# Allegro board 6089-103-RevA_73.brd (continued)
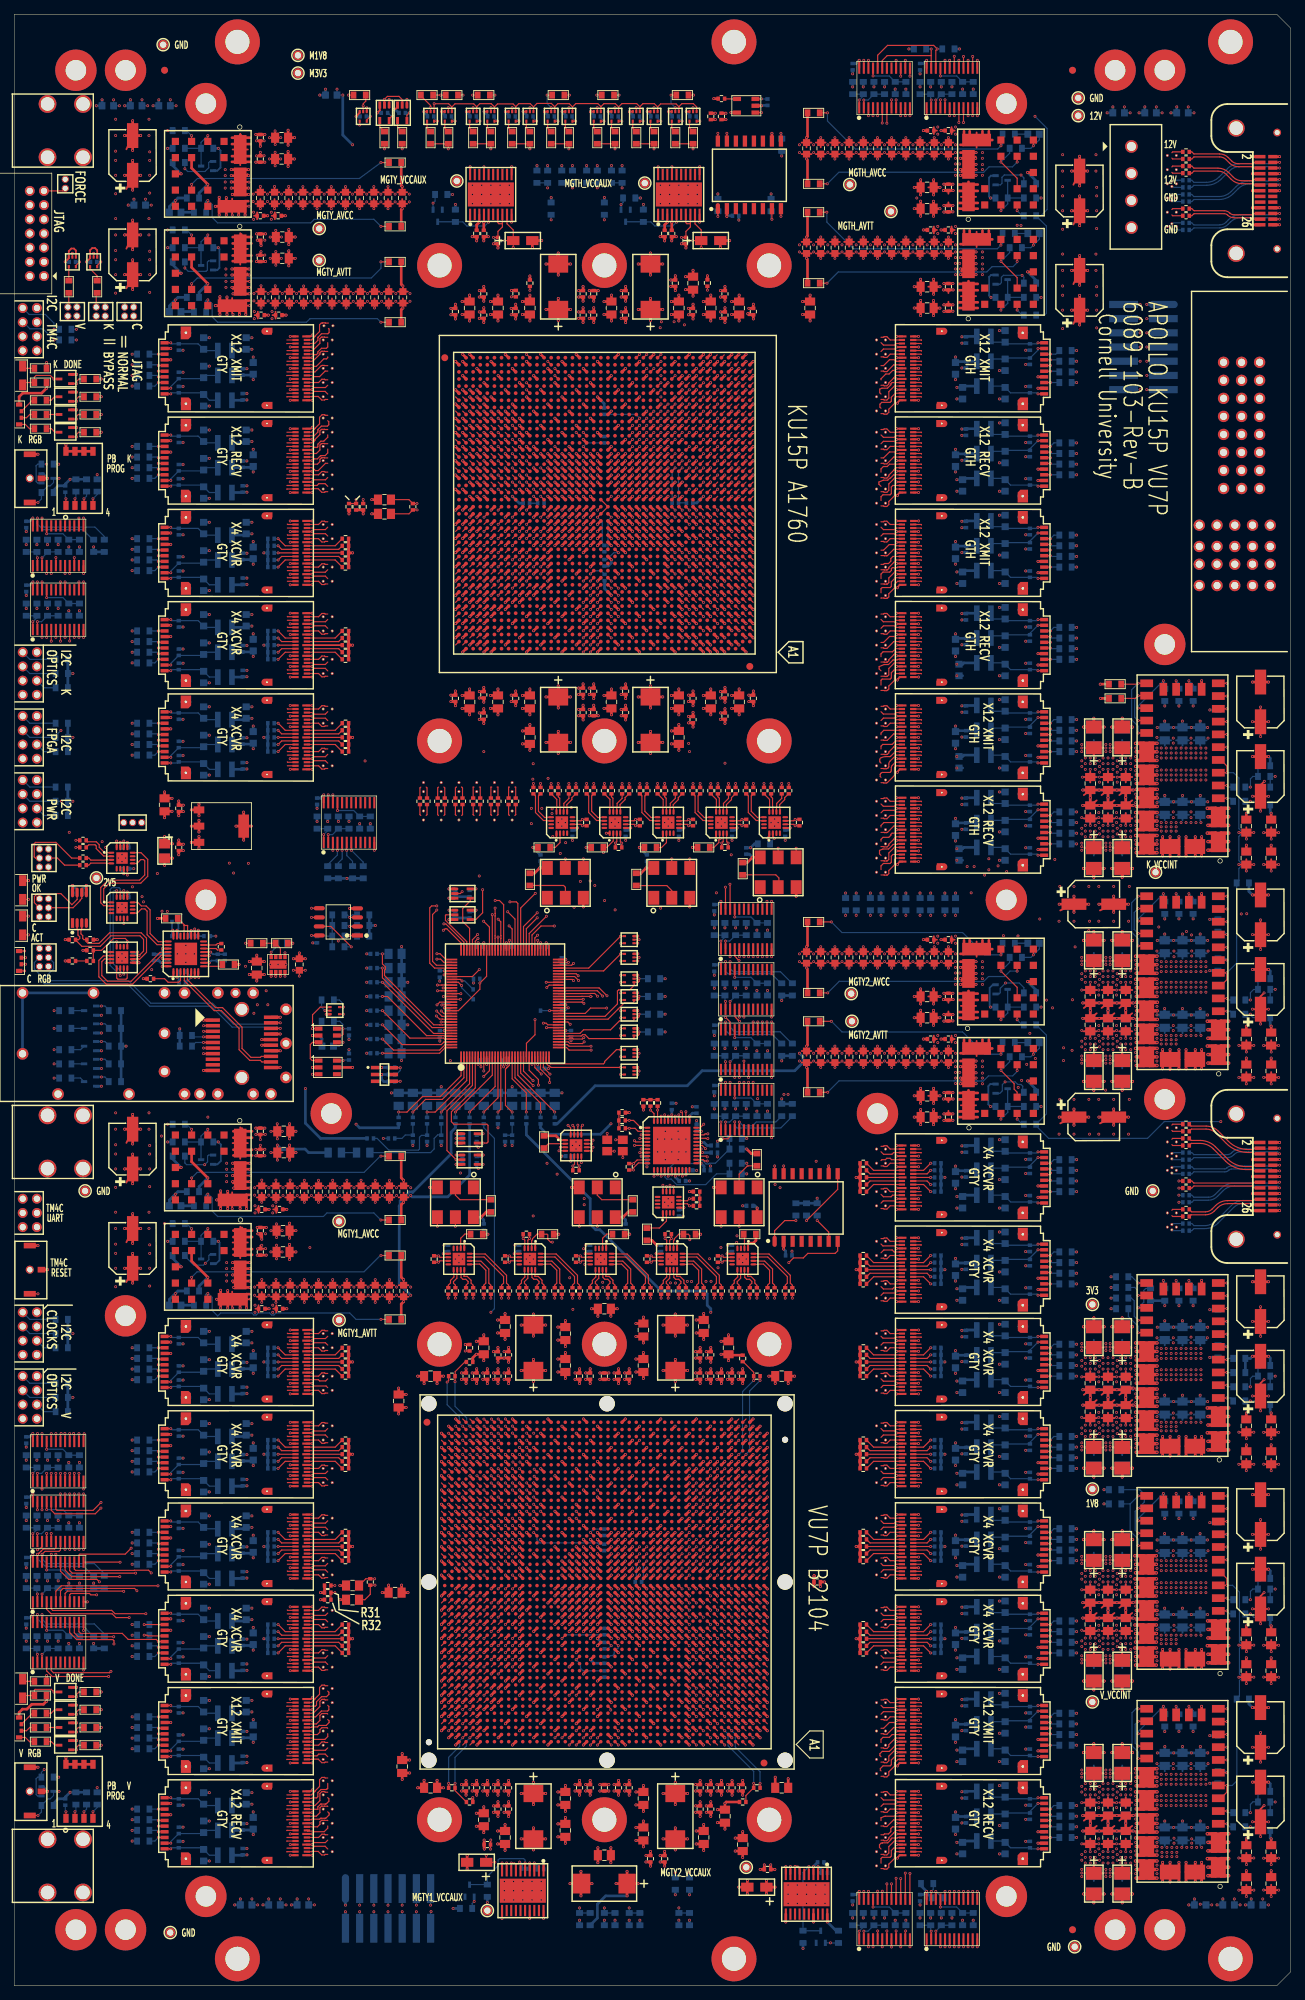
[diagram p0: board, top side]
## Routing (per net, layer and track width the routed paths; a pad name or vN(x,y) marks a point on that pad's centre or on a via; arc(x,y) is an arc through that point) (continued)
; v1(174.57,173.2) C460.2 v1(176.83,173.2) ; U66.BF41 v1(65.23,79.87) ; U65.A7 v1(98.17,187.93) ; v1(79.7,86.93) C175.2 v1(79.06,86.35) ; U65.N9 v1(96.17,199.93) ; U65.AL1 v1(104.17,218.87) ; R69.1 R71.1 v1(49.2,207.39) ; U66.J44 v1(62.24,41.93) ; U65.AN2 v1(103.17,220.87) ; R135.2 v1(96.77,105.9) ; C40.2 v1(38.61,259.35) ; C40.2 v1(38.61,261.45) ; C40.2 v1(39.52,260.4) ; U105.2 v1(144.33,212.1) ; U65.T4 v1(101.17,202.93) ; R128.1 v1(88.13,160.4) ; v1(113.65,56.27) C316.2 v1(114.23,56.9) ; U66.AF46 v1(60.23,59.85) ; U71.3 v1(87.91,142.4) ; C418.2 v1(157.65,127.44) 157.68,127.44 ; C418.2 v1(154.75,127.44) 154.74,127.44 ; C418.2 v1(156.2,126.2) 156.2,126.17 ; U23.4 v1(22.07,190.1) ; U66.AH4 v1(103.17,61.86) ; U65.Y4 v1(101.17,206.93) ; v1(92.65,174.99) C240.2 v1(93.7,174.08) ; v1(151.33,241.7) C382.2 ; C382.2 v1(150.2,243.78) ; C382.2 v1(149.07,241.7) ; C382.2 v1(150.2,239.62) ; U66.AW27 v1(79.23,72.86) ; U65.J1 v1(104.17,195.93) ; v1(69.7,23.87) C145.2 v1(69.06,24.45) ; U105.4 v1(144.33,213.7) ; R118.1 v1(86.77,105.9) ; U122.13 v1(167.4,183.88) ; R178.1 v1(118.69,74.9) ; R178.1 R179.1 R180.1 ; R178.1 R177.1 R176.1 ; U66.AK42 v1(64.24,63.87) ; U66.BE3 v1(104.16,78.85) ; U65.AH24 v1(80.23,215.87) ; R26.2 v1(20.2,150.4) ; U66.T16 v1(91.16,48.94) ; U65.AU2 v1(103.17,224.87) ; U65.P38 v1(66.23,200.93) ; 156.2,11.68 v1(156.2,11.7) C424.2 ; U66.W43 v1(63.23,51.94) ; U66.K5 v1(102.16,42.95) ; U65.J37 v1(67.23,195.93) ; v1(135.6,258.3) 134.5,258.3 ; 134.5,258.3 133.4,258.3 ; 134.5,258.3 134.5,256.64 ; U66.V24 v1(82.23,50.92) ; U65.AE23 v1(81.23,212.87) ; C163.2 v1(76.7,241.05) ; C163.2 v1(74.97,242.6) ; C163.2 76.7,244.1 76.69,244.11 v1(76.69,244.15) ; C163.2 v1(78.43,242.6) ; U65.AB13 v1(92.17,209.87) ; U66.Y37 v1(69.25,52.93) ; U65.W2 v1(103.17,205.93) ; U66.AV45 v1(61.25,71.87) ; v1(131.06,139.85) C375.2 v1(132.34,139.85) ; U66.AV20 v1(87.17,71.87) ; U66.AR43 v1(63.23,68.87) ; U65.M35 v1(69.23,198.93) ; 60.7,65.41 v1(60.23,65.87) ; U66.V46 v1(60.23,50.92) ; C400.2 v1(153.65,72.94) 153.68,72.94 ; C400.2 v1(150.75,72.94) 150.75,72.94 ; C400.2 v1(152.2,71.7) 152.2,71.67 ; v1(96.06,89.35) C253.2 v1(96.7,89.93) ; U66.AN35 v1(71.23,66.86) ; C450.2 v1(173.7,160.72) ; C401.2 v1(152.2,64.1) 152.2,64.12 ; C401.2 v1(150.75,62.86) 150.72,62.86 ; U66.M41 v1(65.23,44.93) ; U66.AT4 v1(103.17,69.86) ; v1(102.2,179.08) C288.2 v1(101.15,179.99) ; U65.C1 v1(104.17,189.93) ; U66.AW6 v1(101.17,72.86) ; U65.U25 v1(79.23,203.93) ; U65.AC9 v1(96.17,210.87) ; R163.1 R164.1 R165.1 ; R163.1 v1(118.69,113.9) ; R163.1 R162.1 R161.1 ; v1(65.56,238.85) C117.2 v1(66.2,239.43) ; U66.E6 v1(101.17,37.94) ; C431.2 v1(157.75,53.99) ; C431.2 v1(156.7,52.91) C432.2 ; U66.AJ15 v1(92.17,62.88) ; U65.AK40 v1(64.23,217.87) ; v1(176.83,58.7) C466.2 v1(174.57,58.7) ; U65.AD29 v1(75.23,211.87) ; U66.BF6 v1(101.17,79.87) ; U65.AK14 v1(91.17,217.87) ; v1(99.06,86.35) C274.2 v1(99.7,86.93) ; U66.AK24 v1(82.23,63.87) ; U65.T40 v1(64.23,202.93) ; U66.AB3 v1(104.16,54.94) ; U65.BA41 v1(63.23,228.87) ; U66.BE2 v1(105.15,78.85) ; C409.2 v1(152.94,83.99) C387.2 ; U66.V36 v1(70.24,50.92) ; U66.AE21 v1(86.15,58.86) ; U66.AC2 v1(105.15,55.93) ; 37.52,142.85 v1(37.52,142.25) ; U65.BB4 v1(101.17,229.87) ; U23.2 v1(22.07,191.7) ; U65.D7 v1(98.17,190.93) ; v1(69.2,19.08) C139.2 v1(68.15,19.99) ; U65.BB30 v1(74.23,229.87) ; U65.D40 v1(64.23,190.93) ; U66.N2 v1(105.15,45.95) ; C7.2 v1(16.7,118.62) ; C7.2 v1(15.57,120.7) ; C7.2 v1(16.7,122.78) ; C7.2 v1(17.83,120.7) ; U65.AF38 v1(66.23,213.87) ; U65.W23 v1(81.23,205.93) ; U65.AA1 v1(104.17,207.93) ; U66.AR19 v1(88.16,68.87) ; v1(86.06,86.35) C212.2 v1(86.7,86.93) ; U66.H20 v1(87.17,40.94) ; U66.U25 v1(81.24,49.93) ; U65.AE27 v1(77.23,212.87) ; U66.AA43 v1(63.23,53.95) ; v1(80.2,239.43) C177.2 v1(79.56,238.85) ; P2.26 v1(174.58,248.12) ; U66.AA13 v1(94.16,53.95) ; U65.AJ2 v1(103.17,216.87) ; v1(93.33,246.45) C233.2 v1(92.7,245.87) ; U65.V28 v1(76.23,204.93) ; v1(135.6,141.1) 134.5,141.1 ; 134.5,141.1 v1(133.4,141.1) ; v1(132.34,235.95) C372.2 131.68,235.93 v1(131.06,235.93) ; Q8.2 v1(8.8,34.55) ; C420.2 v1(156.2,71.7) 156.2,71.66 ; v1(100.2,239.43) C276.2 v1(99.56,238.85) ; 153.66,12.94 v1(153.65,12.94) C404.2 ; U66.AN2 v1(105.15,66.86) ; C412.2 v1(155.45,51.81) C432.2 ; U65.AG19 v1(86.17,214.87) ; v1(77.7,93.72) C167.2 v1(76.65,92.81) ; v1(100.2,177.87) C279.2 v1(99.56,178.45) ; C272.2 v1(100.33,262.95) ; U66.AN5 v1(102.16,66.86) ; U65.D38 v1(66.23,190.93) ; U65.AN41 v1(63.23,220.87) ; U65.AC37 v1(67.23,210.87) ; U66.P45 v1(61.25,46.94) ; v1(176.83,153.7) C461.2 v1(174.57,153.7) ; U66.AE44 v1(62.24,58.86) ; U66.AU43 v1(63.23,70.85) ; U66.AC27 v1(79.23,55.93) ; 177.43,109.22 v1(178.38,109.22) ; U65.H39 v1(65.23,194.93) ; U66.AY5 v1(102.16,73.87) ; U66.T42 v1(64.24,48.94) ; U66.AA15 v1(92.17,53.95) ; U123.13 v1(167.4,153.88) ; U66.AD3 v1(104.16,57.87) ; U65.AV38 v1(66.23,225.87) ; U66.B7 v1(100.17,34.95) ; C404.2 v1(152.2,11.7) 152.2,11.68 ; U65.G41 v1(63.23,193.93) ; U66.P40 v1(66.23,46.94) ; v1(97.56,27.45) C267.2 v1(98.2,26.87) ; U66.C46 v1(60.23,35.94) ; R37.1 R36.1 R35.1 ; C41.2 v1(39.52,257.4) ; C41.2 v1(38.61,258.45) ; C41.2 v1(38.61,256.35) ; U65.U33 v1(71.23,203.93) ; 161.9,16.02 v1(161.9,17.4) ; 161.9,16.02 v1(161.9,14.7) ; U66.H9 v1(98.17,40.94) ; C36.2 v1(38.23,249.4) ; C416.2 v1(154.75,157.44) 154.69,157.44 ; C416.2 v1(157.65,157.44) 157.65,157.44 ; C416.2 v1(156.2,156.2) 156.2,156.17 ; U65.AE2 v1(103.17,212.87) ; U24.2 v1(22.07,178.7) ; U66.W27 v1(79.23,51.94) ; U66.AV42 v1(64.24,71.87) ; U65.AL2 v1(103.17,218.87) ; C350.2 v1(127.79,251.45) ; C350.2 v1(126.88,250.4) ; C350.2 v1(127.79,249.35) ; v1(54.9,99.5) 54.56,99.84 R79.2 ; C458.2 v1(173.7,16.22) ; R75.2 54.56,239.74 v1(54.8,239.5) ; U27.4 v1(22.07,63.1) ; U65.AY7 v1(98.17,227.87) ; U66.AE2 v1(105.15,58.86) ; 134.5,255.9 134.5,256.64 ; 134.5,255.9 v1(133.4,255.9) ; 134.5,255.9 v1(135.6,255.9) ; 134.5,256.64 U118.2 134.53,257.12 134.15,257.5 v1(133.4,257.5) ; v1(85.56,238.85) C206.2 v1(86.2,239.43) ; U66.F12 v1(95.17,38.93) ; U65.AA25 v1(79.23,207.93) ; U65.J31 v1(73.23,195.93) ; U66.AJ21 v1(86.15,62.88) ; U66.W1 v1(106.17,51.94) ; 71.69,65.41 v1(71.23,65.87) ; U66.AJ17 v1(90.17,62.88) ; U66.V3 v1(104.16,50.92) ; U66.G13 v1(94.16,39.93) ; C451.2 v1(173.7,135.22) ; U65.E5 v1(100.17,191.93) ; v1(87.65,25.49) C220.2 v1(88.7,24.58) ; U66.BE41 v1(65.23,78.85) ; v1(174.57,69.2) C465.2 v1(176.83,69.2) ; U65.K24 v1(80.23,196.93) ; U66.A41 v1(65.23,33.93) ; U66.AB12 v1(95.17,54.94) ; U66.D5 v1(102.16,36.93) ; U66.AH24 v1(82.23,61.86) ; U65.AP37 v1(67.23,221.87) ; U66.AR44 v1(62.24,68.87) ; U66.AU38 v1(68.23,70.85) ; U65.AE13 v1(92.17,212.87) ; U66.AA27 v1(79.23,53.95) ; U123.27 v1(162.95,129.14) ; U123.27 v1(162.95,131.91) ; U66.AJ10 v1(97.15,62.88) ; U65.AH3 v1(102.17,215.87) ; U65.C5 v1(100.17,189.93) ; v1(22.3,158.88) C11.2 v1(21.2,157.88) ; C430.2 v1(157.75,81.81) ; U26.4 v1(22.07,76.1) ; U66.AL42 v1(64.24,64.86) ; C205.2 v1(86.71,123.03) ; U66.R7 v1(100.17,47.93) ; U124.13 v1(167.4,99.38) ; R35.1 v1(47.71,201.9) ; R35.1 R34.1 R33.1 ; U66.T41 v1(65.23,48.94) ; v1(98.2,89.93) C265.2 v1(97.56,89.35) ; v1(54.7,253.5) 54.56,253.64 R73.2 ; U65.H33 v1(71.23,194.93) ; U66.W17 v1(90.17,51.94) ; v1(97.15,237.31) C262.2 v1(98.2,238.22) ; U110.2 v1(144.33,111.1) ; U66.P3 v1(104.16,46.94) ; U65.AA17 v1(88.17,207.93) ; U65.AK33 v1(71.23,217.87) ; U66.BB45 v1(61.25,75.86) ; U66.F36 v1(70.24,38.93) ; v1(17.83,260.7) C5.2 ; C5.2 v1(16.7,258.62) ; C5.2 v1(16.7,262.78) ; C5.2 v1(15.57,260.7) ; U65.Y35 v1(69.23,206.93) ; v1(96.7,26.87) C255.2 v1(96.06,27.45) ; U65.A5 v1(100.17,187.93) ; v1(63.85,18.37) C114.2 v1(63.85,16.43) ; U66.AJ25 v1(81.24,62.88) ; U66.U44 v1(62.24,49.93) ; U66.AK37 v1(69.25,63.87) ; U66.Y14 v1(93.16,52.93) ; U66.L31 v1(75.24,43.94) ; v1(131.06,135.93) 131.68,135.93 C376.2 v1(132.34,135.95) ; U65.AC15 v1(90.17,210.87) ; U65.AA15 v1(90.17,207.93) ; U65.AD31 v1(73.23,211.87) ; U66.Y28 v1(78.24,52.93) ; U66.AU6 v1(101.17,70.85) ; U74.3 v1(87.91,134.9) ; U65.AN9 v1(96.17,220.87) ; U65.AF3 v1(102.17,213.87) ; U112.2 v1(144.33,85.1) ; U65.AC2 v1(103.17,210.87) ; U66.U1 v1(106.17,49.93) ; U66.AK18 v1(89.18,63.87) ; U66.BB40 v1(66.23,75.86) ; 88.71,65.41 v1(89.18,65.87) ; U66.N42 v1(64.24,45.95) ; U66.BE45 v1(61.25,78.85) ; U65.U21 v1(84.17,203.93) ; U99.17 v1(112.67,9) ; U65.Y31 v1(73.23,206.93) ; U65.AF31 v1(73.23,213.87) ; v1(68.2,244.87) C129.2 v1(67.56,245.45) ; U65.F37 v1(67.23,192.93) ; U66.BB2 v1(105.15,75.86) ; U66.AA7 v1(100.17,53.95) ; C359.2 v1(128.17,147.4) ; U66.V5 v1(102.16,50.92) ; U66.A31 v1(75.24,33.93) ; U66.AN44 v1(62.24,66.86) ; v1(101.2,26.87) C285.2 v1(100.56,27.45) ; U65.AP3 v1(102.17,221.87) ; v1(68.2,23.87) C136.2 v1(67.56,24.45) ; U65.B39 v1(65.23,188.93) ; P3.13 v1(178.38,114.03) ; U65.AH18 v1(87.17,215.87) ; U66.AD20 v1(87.17,57.87) ; U66.AG2 v1(105.11,60.83) ; U66.AW5 v1(102.16,72.86) ; U65.AH7 v1(98.17,215.87) ; U66.E10 v1(97.15,37.94) ; U66.AJ23 v1(84.17,62.88) ; U66.AB35 v1(71.23,54.94) ; U66.AP45 v1(61.25,67.86) ; v1(96.06,24.45) C256.2 v1(96.7,23.87) ; U66.Y41 v1(65.23,52.93) ; U65.AN5 v1(100.17,220.87) ; U65.AG21 v1(84.17,214.87) ; C424.2 v1(154.75,12.94) 154.73,12.94 ; C424.2 v1(157.65,12.94) 157.66,12.94 ; U66.L39 v1(67.24,43.94) ; U65.G20 v1(85.17,193.93) ; R42.1 R41.1 R40.1 ; U66.AD26 v1(80.25,57.87) ; U65.P26 v1(78.23,200.93) ; v1(86.2,236.43) C207.2 v1(85.56,235.85) ; U65.A37 v1(67.23,187.93) ; v1(70.7,180.37) C147.2 v1(70.06,180.95) ; v1(152.2,148.55) C396.2 152.2,147.31 ; C373.2 v1(130.67,147.4) ; U65.B25 v1(79.23,188.93) ; U125.13 v1(167.4,69.38) ; 134.5,242.64 U119.2 134.53,243.12 134.15,243.5 v1(133.4,243.5) ; U66.AY34 v1(72.25,73.87) ; U65.W41 v1(63.23,205.93) ; v1(64.2,238.22) C107.2 v1(63.15,237.31) ; U66.AW2 v1(105.15,72.86) ; U66.AA21 v1(86.15,53.95) ; U66.A12 v1(95.17,33.93) ; U66.AE19 v1(88.16,58.86) ; U65.AF16 v1(89.17,213.87) ; U66.H39 v1(67.24,40.94) ; U66.AY4 v1(103.17,73.87) ; v1(33.22,115.9) 32.1,115.9 ; 32.1,115.9 v1(30.8,115.9) ; U66.AK20 v1(87.17,63.87) ; U65.BB2 v1(103.17,229.87) ; U65.C10 v1(95.17,189.93) ; U66.V35 v1(71.23,50.92) ; U66.C2 v1(105.15,35.94) ; U66.BC15 v1(92.17,76.87) ; 31.9,255.05 v1(33.05,255.05) ; 31.9,255.05 v1(30.6,255.05) ; 31.9,255.05 31.9,254.16 ; U65.AJ9 v1(96.17,216.87) ; U65.AV28 v1(76.23,225.87) ; U66.AY10 v1(97.15,73.87) ; U106.2 v1(144.33,199.1) ; U66.AG43 v1(63.23,60.87) ; U65.U23 v1(81.23,203.93) ; C52.2 v1(41.04,144.71) ; C52.2 v1(40.2,145.53) ; C52.2 v1(39.36,144.71) ; U65.AG27 v1(77.23,214.87) ; C432.2 v1(157.75,51.81) ; U66.M28 v1(78.24,44.93) ; v1(66.2,180.87) C119.2 v1(65.56,181.45) ; P3.14 v1(174.58,114.03) ; U66.G23 v1(84.17,39.93) ; U13.14 v1(37.51,131.75) ; U66.AB26 v1(80.25,54.94) ; U66.F5 v1(102.16,38.93) ; U65.R2 v1(103.17,201.93) ; U97.3 v1(110.24,153.52) ; v1(66.2,177.87) C120.2 v1(65.56,178.45) ; v1(64.2,179.08) C108.2 v1(63.15,179.99) ; P3.1 v1(178.38,118.83) ; U66.P22 v1(85.16,46.94) ; U65.AW9 v1(96.17,226.87) ; C15.2 v1(35.25,144.31) ; C15.2 v1(33.15,144.31) ; C15.2 v1(34.2,145.22) ; U65.M7 v1(98.17,198.93) ; U65.M20 v1(85.17,198.93) ; U66.U42 v1(64.24,49.93) ; U66.AD18 v1(89.18,57.87) ; U65.B38 v1(66.23,188.93) ; U65.BB41 v1(63.23,229.87) ; U66.AG44 v1(62.24,60.87) ; v1(76.99,119.15) 76.38,119.76 R105.2 ; U66.AY41 v1(65.23,73.87) ; U66.AD45 v1(61.25,57.87) ; v1(68.2,179.08) C131.2 v1(67.15,179.99) ; U66.AK5 v1(102.16,63.87) ; U66.T20 v1(87.17,48.94) ; U66.L21 v1(86.15,43.94) ; U66.AC42 v1(64.24,55.93) ; U65.AH39 v1(65.23,215.87) ; C452.2 v1(173.7,130.72) ; v1(112.2,238.22) C315.2 v1(111.15,237.31) ; U66.F8 v1(99.16,38.93) ; R50.1 R49.1 R48.1 ; R50.1 R51.1 R52.1 ; R50.1 v1(47.71,87.9) ; U65.AG2 v1(103.17,214.87) ; U66.C15 v1(92.17,35.94) ; C421.2 v1(157.65,62.86) 157.71,62.86 ; C421.2 v1(154.75,62.86) 154.72,62.86 ; C421.2 v1(156.2,64.1) 156.2,64.14 ; U82.3 v1(95.24,152.02) ; U66.AC15 v1(92.17,55.93) ; C39.2 v1(38.43,95.4) ; U66.BC44 v1(62.24,76.87) ; U66.AB37 v1(69.25,54.94) ; v1(176.83,88.7) C464.2 v1(174.57,88.7) ; U66.AK4 v1(103.17,63.87) ; v1(74.36,245.9) C150.2 v1(73.05,244.93) ; v1(101.2,86.93) C284.2 v1(100.56,86.35) ; U66.AG42 v1(64.24,60.87) ; U65.V40 v1(64.23,204.93) ; U66.U6 v1(101.17,49.93) ; U65.L29 v1(75.23,197.93) ; U65.AL27 v1(77.23,218.87) ; U66.AR2 v1(105.15,68.87) ; P2.8 v1(174.58,255.32) ; U66.AK16 v1(91.16,63.87) ; R126.2 89.91,105.04 v1(90.59,104.35) ; U117.4 v1(144.33,21.7) ; U65.M13 v1(92.17,198.93) ; U66.B4 v1(103.17,34.95) ; C387.2 v1(150.65,83.99) ; C387.2 v1(151.7,82.89) C388.2 ; U13.11 v1(37.51,129.38) ; U65.AU39 v1(65.23,224.87) ; U66.E1 v1(106.17,37.94) ; U65.Y29 v1(75.23,206.93) ; U66.AU10 v1(97.15,70.85) ; U66.AA42 v1(64.24,53.95) ; P3.8 v1(174.58,116.42) ; U65.P31 v1(73.23,200.93) ; U66.W25 v1(81.24,51.94) ; U66.A6 v1(101.17,33.93) ; U66.AP4 v1(103.17,67.86) ; C349.2 v1(127.79,252.35) ; C349.2 v1(127.79,254.45) ; C349.2 v1(126.88,253.4) ; U66.AV35 v1(71.23,71.87) ; C391.2 v1(150.65,23.99) ; C391.2 v1(151.7,22.89) C392.2 ; U65.T22 v1(82.23,202.93) ; U65.W9 v1(96.17,205.93) ; U65.W13 v1(92.17,205.93) ; v1(66.83,246.45) C116.2 v1(66.2,245.87) ; v1(84.2,238.22) C198.2 v1(83.15,237.31) ; U65.AC29 v1(75.23,210.87) ; Q1.2 v1(8.8,227.05) ; U66.AV36 v1(70.24,71.87) ; U66.U38 v1(68.23,49.93) ; U65.AA37 v1(67.23,207.93) ; U66.AD14 v1(93.16,57.87) ; v1(76.65,20.99) C170.2 v1(77.7,20.08) ; U66.M3 v1(104.16,44.93) ; U65.R24 v1(80.23,201.93) ; U66.M12 v1(95.17,44.93) ; U65.C13 v1(92.17,189.93) ; U66.N35 v1(71.23,45.95) ; U65.AG15 v1(90.17,214.87) ; U65.T16 v1(89.17,202.93) ; U66.AU44 v1(62.24,70.85) ; U66.AW10 v1(97.15,72.86) ; U66.D22 v1(85.16,36.93) ; Q4.2 v1(8.8,219.55) ; U65.AB4 v1(101.17,209.87) ; v1(132.34,121.95) C380.2 131.68,121.92 v1(131.06,121.92) ; P3.20 v1(174.58,111.62) ; U66.C44 v1(62.24,35.94) ; R114.2 v1(80.63,160.4) ; v1(86.2,181.37) C208.2 v1(85.56,181.95) ; 61.71,65.41 v1(61.25,65.87) ; U18.15 v1(23.54,101.3) ; U66.U15 v1(92.17,49.93) ; U66.T4 v1(103.17,48.94) ; C384.2 v1(150.65,166.31) ; R40.1 v1(47.71,188.9) ; U65.AH11 v1(94.17,215.87) ; U65.AJ31 v1(73.23,216.87) ; U66.L42 v1(64.24,43.94) ; U66.K14 v1(93.16,42.95) ; U65.AC17 v1(88.17,210.87) ; U108.2 v1(144.33,173.1) ; R168.1 v1(118.69,100.9) ; R168.1 R167.1 R166.1 ; U66.AY37 v1(69.25,73.87) ; U65.V39 v1(65.23,204.93) ; v1(99.15,22.99) C280.2 v1(100.2,22.08) ; U66.P32 v1(74.23,46.94) ; U66.H30 v1(76.23,40.94) ; C27.2 v1(35.83,235.4) ; U65.AT38 v1(66.23,223.87) ; 134.5,128.64 134.5,127.9 ; 134.5,127.9 v1(133.4,127.9) ; 134.5,127.9 v1(135.6,127.9) ; Q3.2 v1(8.8,222.05) ; U65.AF14 v1(91.17,213.87) ; R13.2 v1(7.19,144.4) ; U65.AB11 v1(94.17,209.87) ; U65.M39 v1(65.23,198.93) ; U65.AE19 v1(86.17,212.87) ; v1(77.7,24.58) C169.2 v1(76.65,25.49) ; U66.V20 v1(87.17,50.92) ; R55.1 R56.1 R57.1 ; R55.1 v1(47.71,74.9) ; R55.1 R54.1 R53.1 ; U90.2 v1(105.36,264.9) ; U65.AH14 v1(91.17,215.87) ; U65.K40 v1(64.23,196.93) ; U65.AR29 v1(75.23,222.87) ; U66.AA44 v1(62.24,53.95) ; C433.2 v1(157.75,23.99) ; v1(96.15,93.81) C258.2 v1(97.2,94.72) ; v1(132.34,239.85) C371.2 v1(131.06,239.85) ; v1(52.79,56.45) C83.2 v1(51.88,55.4) ; U66.F26 v1(80.25,38.93) ; v1(81.2,26.87) C184.2 v1(80.56,27.45) ; U65.BA6 v1(99.17,228.87) ; U65.F40 v1(64.23,192.93) ; R154.2 111.84,257.29 ; U65.R33 v1(71.23,201.93) ; 38.81,117.4 v1(38.81,116.35) ; 38.81,117.4 v1(38.81,118.45) ; 38.81,117.4 C47.2 v1(39.72,117.4) ; U66.BE5 v1(102.16,78.85) ; U66.AF42 v1(64.24,59.85) ; U65.P16 v1(89.17,200.93) ; v1(102.7,18.08) C292.2 v1(101.65,18.99) ; U65.AN23 v1(81.23,220.87) ; U66.R35 v1(71.23,47.93) ; U66.K8 v1(99.16,42.95) ; U65.AF4 v1(101.17,213.87) ; U66.C41 v1(65.23,35.94) ; U66.U23 v1(84.17,49.93) ; U65.AT7 v1(98.17,223.87) ; v1(94.65,240.81) C245.2 v1(95.7,241.72) ; U66.AV5 v1(102.16,71.87) ; v1(103.56,236.35) C295.2 v1(104.2,236.93) ; U65.K14 v1(91.17,196.93) ; U66.L1 v1(106.17,43.94) ; U65.V4 v1(101.17,204.93) ; v1(66.25,20.54) C126.2 66.25,19.38 66.28,19.34 v1(66.28,19.27) ; U65.BA7 v1(98.17,228.87) ; U65.AG25 v1(79.23,214.87) ; U66.BF16 v1(91.16,79.87) ; v1(63.06,27.45) C106.2 v1(63.7,26.87) ; U65.M40 v1(64.23,198.93) ; U46.3 v1(61.3,150.24) ; v1(54.7,29.08) C86.2 v1(55.75,29.99) ; v1(81.7,236.43) C186.2 v1(81.06,235.85) ; U65.AM25 v1(79.23,219.87) ; C223.2 v1(87.97,242.6) ; C223.2 v1(91.43,242.6) ; C223.2 89.7,244.1 89.69,244.11 v1(89.69,244.15) ; C223.2 v1(89.7,241.05) ; U65.T13 v1(92.17,202.93) ; U65.K3 v1(102.17,196.93) ; R89.1 v1(63.59,90.35) ; U45.3 v1(61.3,153.24) ; U66.G45 v1(61.25,39.93) ; U66.BB44 v1(62.24,75.86) ; U65.V20 v1(85.17,204.93) ; U65.AN37 v1(67.23,220.87) ; U66.AC19 v1(88.16,55.93) ; U65.F39 v1(65.23,192.93) ; U65.AP34 v1(70.23,221.87) ; U65.AL42 v1(62.23,218.87) ; U65.AU42 v1(62.23,224.87) ; U65.AJ21 v1(84.17,216.87) ; v1(57.79,84.85) C94.2 v1(56.88,85.9) ; U65.AE15 v1(90.17,212.87) ; Q5.2 v1(8.8,42.05) ; U70.3 v1(87.91,145.4) ; U65.B20 v1(85.17,188.93) ; U66.AY45 v1(61.25,73.87) ; U66.T12 v1(95.17,48.94) ; U65.AL37 v1(67.23,218.87) ; U66.AK40 v1(66.23,63.87) ; U65.AB38 v1(66.23,209.87) ; v1(67.56,27.45) C135.2 v1(68.2,26.87) ; U65.P39 v1(65.23,200.93) ; R102.1 v1(72.7,240.91) ; U65.AH35 v1(69.23,215.87) ; U65.BA32 v1(72.23,228.87) ; U65.AY8 v1(97.17,227.87) ; U65.AY3 v1(102.17,227.87) ; U66.AY3 v1(104.16,73.87) ; U65.AL22 v1(82.23,218.87) ; U66.AL35 v1(71.23,64.86) ; U65.BB15 v1(90.17,229.87) ; U66.AR42 v1(64.24,68.87) ; U65.AH22 v1(82.23,215.87) ; U66.Y22 v1(85.16,52.93) ; U65.AU9 v1(96.17,224.87) ; U66.P42 v1(64.24,46.94) ; C392.2 v1(150.65,21.81) ; U65.AF7 v1(98.17,213.87) ; U66.AB18 v1(89.18,54.94) ; U66.AT26 v1(80.25,69.86) ; U28.4 v1(22.07,50.1) ; U66.AD42 v1(64.24,57.87) ; U65.Y20 v1(85.17,206.93) ; U13.20 v1(37.51,136.47) ; U66.W19 v1(88.16,51.94) ; U66.AW44 v1(62.24,72.86) ; U66.AF24 v1(82.23,59.85) ; U65.R40 v1(64.23,201.93) ; U66.L44 v1(62.24,43.94) ; U39.1 v1(51.8,129.38) ; C471.2 v1(177.2,135.22) ; U65.W21 v1(84.17,205.93) ; U65.AT37 v1(67.23,223.87) ; U65.AW41 v1(63.23,226.87) ; v1(63.7,86.93) C105.2 v1(63.06,86.35) ; C393.2 v1(152.2,178.6) ; C393.2 v1(153.65,177.36) ; U66.F44 v1(62.24,38.93) ; U65.D11 v1(94.17,190.93) ; 31.9,254.16 U15.2 v1(30.6,254.16) ; U66.AK34 v1(72.25,63.87) ; C369.2 v1(130.67,247.4) ; U66.V40 v1(66.23,50.92) ; U66.AA10 v1(97.15,53.95) ; U66.AW39 v1(67.24,72.86) ; Q2.2 v1(8.8,224.55) ; U65.B8 v1(97.17,188.93) ; U66.Y18 v1(89.18,52.93) ; U66.G43 v1(63.23,39.93) ; U65.G36 v1(68.23,193.93) ; C455.2 v1(173.7,50.72) ; v1(104.2,180.37) C296.2 v1(103.56,180.95) ; U66.AD22 v1(85.16,57.87) ; U66.B28 v1(78.24,34.95) ; U65.BA12 v1(93.17,228.87) ; U65.AV3 v1(102.17,225.87) ; U66.T35 v1(71.23,48.94) ; U66.L5 v1(102.16,43.94) ; U66.V16 v1(91.16,50.92) ; P3.7 v1(178.38,116.42) ; U65.U29 v1(75.23,203.93) ; v1(35.34,120.85) C22.2 v1(34.06,120.85) ; U30.4 v1(22.07,24.1) ; U65.AF13 v1(92.17,213.87) ; U65.AN11 v1(94.17,220.87) ; U59.3 v1(80.24,152.02) ; U65.AA29 v1(75.23,207.93) ; U66.BC3 v1(104.16,76.87) ; U66.AB22 v1(85.16,54.94) ; U66.AY43 v1(63.23,73.87) ; U66.R39 v1(67.24,47.93) ; U65.AJ42 v1(62.23,216.87) ; U66.W15 v1(92.17,51.94) ; R99.1 v1(70.12,238.88) ; U66.AT45 v1(61.25,69.86) ; 102.71,65.41 v1(103.17,65.87) ; U66.C11 v1(96.16,35.94) ; v1(22.25,167.31) C10.2 v1(21.2,168.22) ; U65.G38 v1(66.23,193.93) ; U66.Y42 v1(64.24,52.93) ; U66.BA31 v1(75.24,74.87) ; U65.AV18 v1(87.17,225.87) ; U66.BD41 v1(65.23,77.86) ; U65.R37 v1(67.23,201.93) ; U66.AE10 v1(97.15,58.86) ; C9.2 v1(18.2,141.9) ; U66.AF28 v1(78.24,59.85) ; U69.3 v1(87.91,147.9) ; v1(77.7,89.22) C168.2 v1(76.65,88.31) ; U65.AN35 v1(69.23,220.87) ; U65.K13 v1(92.17,196.93) ; U66.AK3 v1(104.16,63.87) ; v1(87.65,20.49) C221.2 v1(88.7,19.58) ; U115.2 v1(144.33,46.1) ; U65.W40 v1(64.23,205.93) ; U65.BA2 v1(103.17,228.87) ; L4.1 v1(50.41,207.4) ; C260.2 v1(98.83,262.95) ; U65.Y14 v1(91.17,206.93) ; U65.W17 v1(88.17,205.93) ; U66.AR11 v1(96.16,68.87) ; U66.V8 v1(99.16,50.92) ; v1(33.25,99.3) 32.1,99.3 ; 32.1,99.3 v1(30.8,99.3) ; U75.3 v1(87.91,131.9) ; U65.AE1 v1(104.17,212.87) ; U65.W27 v1(77.23,205.93) ; U66.AL44 v1(62.24,64.86) ; U66.AB5 v1(102.16,54.94) ; U65.M38 v1(66.23,198.93) ; U66.AV4 v1(103.17,71.87) ; U66.AT5 v1(102.16,69.86) ; U107.4 v1(144.33,187.7) ; U113.2 v1(144.33,72.1) ; U66.AC10 v1(97.15,55.93) ; U65.AG5 